# Allegro board 08_038702e.brd (continued)
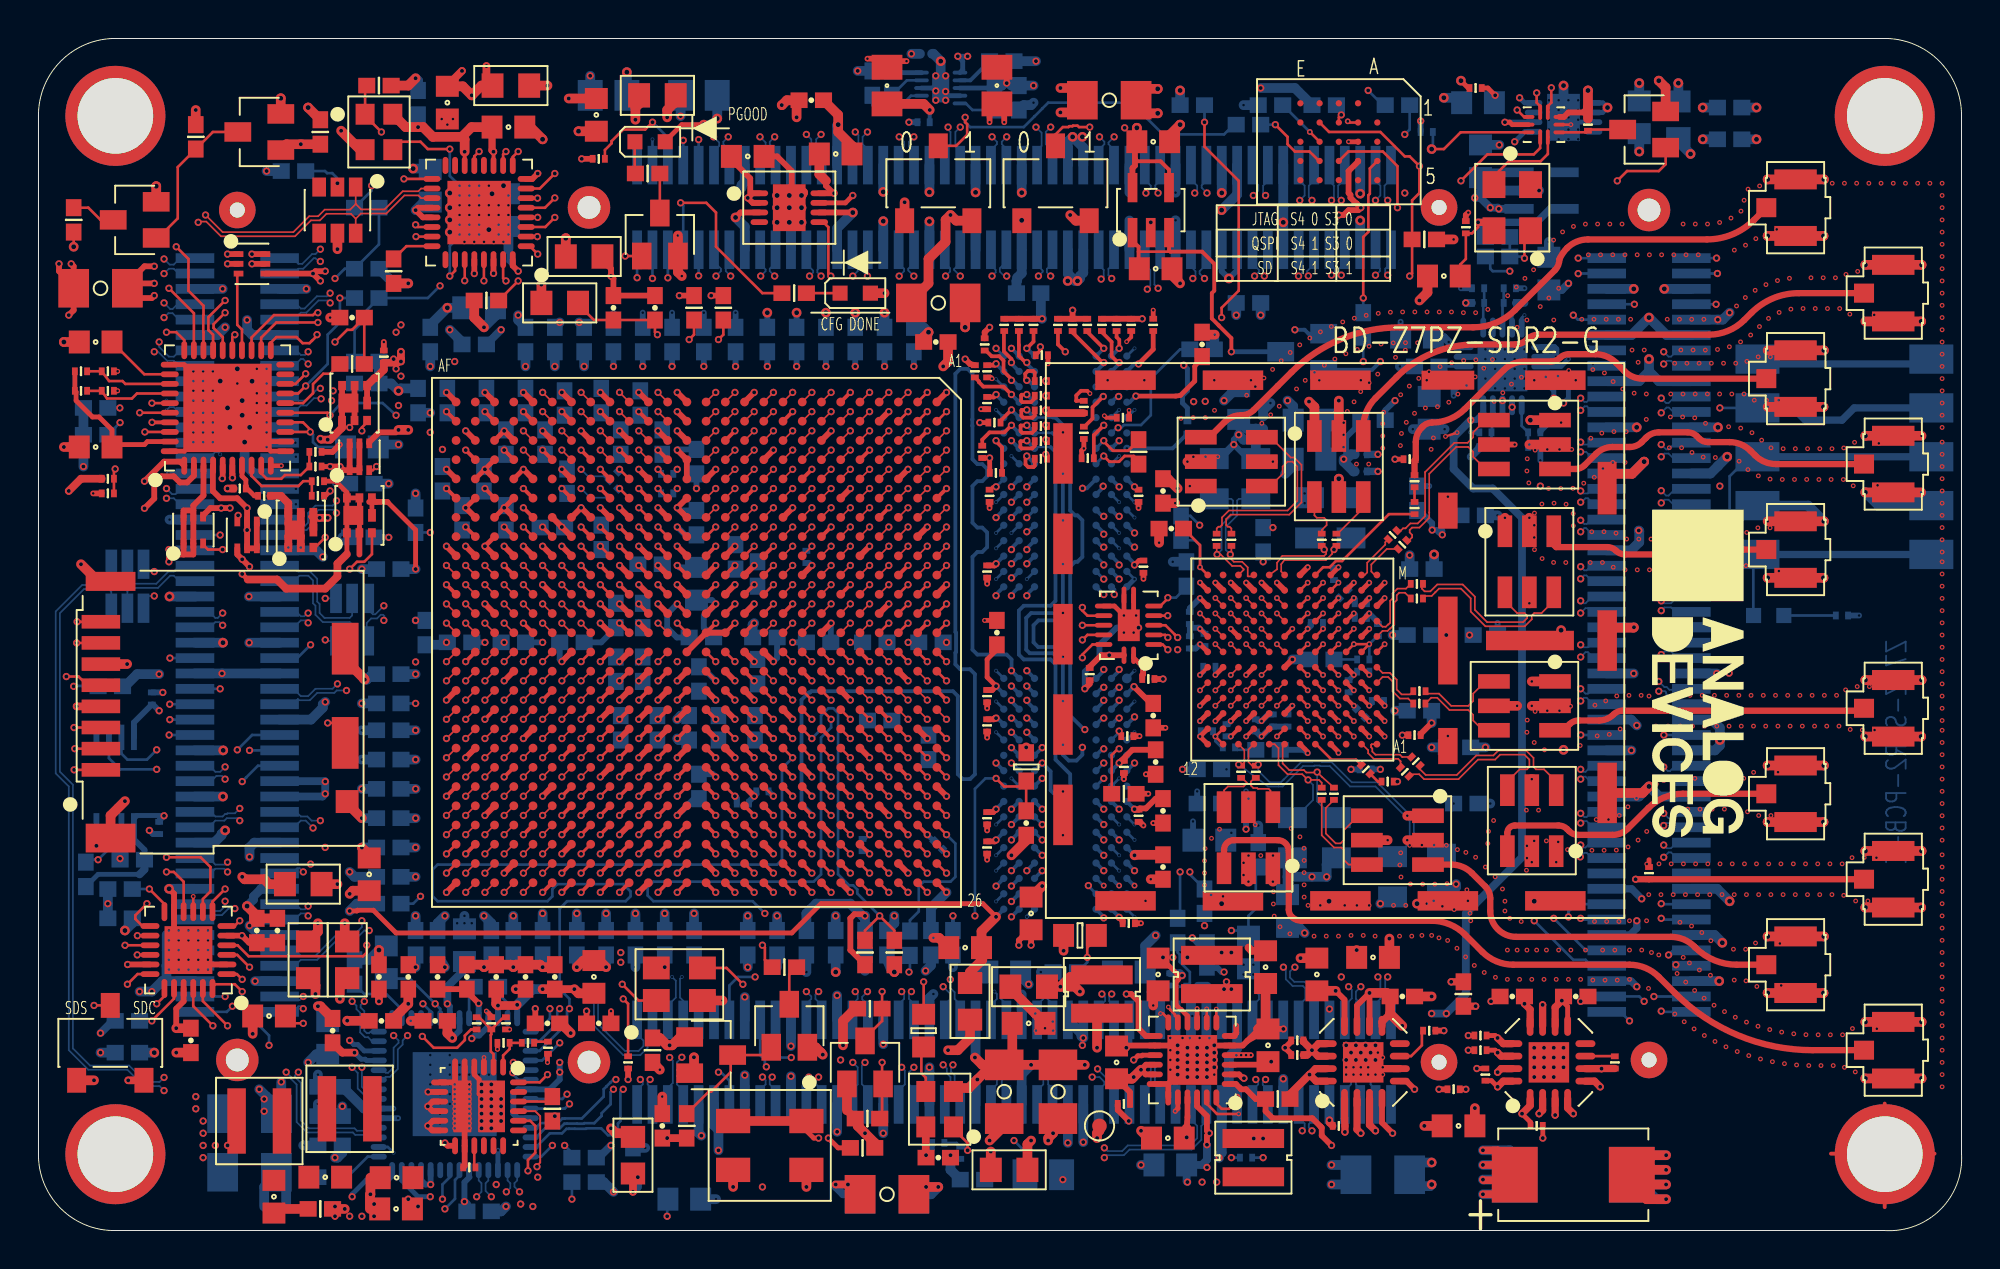
[diagram p0: board, top side]
## Routing (per net, layer and track width the routed paths; a pad name or vN(x,y) marks a point on that pad's centre or on a via; arc(x,y) is an arc through that point) (continued)
IO_L12_MRCC_12_JX3_P: length 74.2
  TOP w0.089: U1.AC13 v1(24.22,31.59)
  L7_SIG w0.089: v1(24.22,31.59) 23.84,31.96 23.84,44.5 22.26,46.08 20.88,46.08 20.5,46.46 20.5,50.02 20.88,50.4 24.94,50.4 25.33,50.78 25.33,55.23 24.94,55.61 20.88,55.61 20.5,55.99 20.5,57.49 19.97,58.02 16.44,58.02 16.42,58 11,58 10.47,57.47 10.47,54.59 10.85,54.21 11.61,54.21 11.99,53.83 11.99,51.92 12.37,51.54 16.18,51.54 16.56,51.16 16.56,46.08 16.18,45.7 15.4,45.7 14.84,46.26 14.35,46.26 13.89,46.72 12.9,46.72 12.24,46.06 12.24,45.45 12.63,45.07 v1(14.02,45.07)
  BOTTOM w0.089: JX3.86 13.29,44.97 13.64,45.32 13.77,45.32 v1(14.02,45.07)
IO_L12_MRCC_13_JX2_N: length 72.1
  TOP w0.089: U1.AC24 v1(24.22,19.59)
  L4_SIG w0.089: v1(24.22,19.59) 24.59,19.96 25.32,19.96 25.55,19.73 25.55,15.37 25.95,14.97 27.12,14.97 27.23,14.86 27.23,13.47 27.63,13.06 30.13,13.06 30.22,13.14 30.49,13.14 30.91,13.57 30.91,14.08 31.29,14.46 31.5,14.46 31.88,14.84 31.88,25.81 32.07,26 32.39,26 32.58,25.81 32.58,17.34 32.95,16.98 32.95,15.2 31.8,14.06 31.8,11.67 32.06,11.41 35.36,11.41 37.64,9.13 38.05,9.13 38.68,8.49 38.82,8.49 38.9,8.41 39.39,8.41 39.47,8.49 40.59,8.49 40.97,8.11 40.97,7.35 40.59,6.97 37.26,6.97 36.88,6.59 36.88,5.95 37.26,5.57 44.41,5.57 45.52,6.68 v1(45.52,8.49)
  BOTTOM w0.089: JX2.38 45.53,7.34 45.26,7.6 45.26,8.24 v1(45.52,8.49)
IO_L12_MRCC_13_JX2_P: length 72.1
  TOP w0.089: U1.AC23 v1(24.22,20.59)
  L4_SIG w0.089: v1(24.22,20.59) 24.39,20.42 24.39,20.3 24.47,20.22 25.42,20.22 25.81,19.83 25.81,15.48 26.06,15.22 27.23,15.22 27.48,14.97 27.48,13.57 27.74,13.32 30.03,13.32 30.11,13.4 30.38,13.4 30.66,13.68 30.66,14.18 31.19,14.71 31.39,14.71 31.63,14.95 31.63,25.92 31.96,26.25 32.5,26.25 32.83,25.92 32.83,17.45 33.2,17.08 33.2,15.09 32.06,13.95 32.06,11.77 32.16,11.67 35.46,11.67 37.75,9.38 38.15,9.38 38.79,8.74 38.92,8.74 39,8.66 39.28,8.66 39.36,8.74 40.69,8.74 41.22,8.21 41.22,7.24 40.69,6.71 37.37,6.71 37.14,6.48 37.14,6.06 37.37,5.82 44.3,5.82 45.26,6.79 45.26,7.47 45.14,7.6 45.14,7.81 45.26,7.94 45.26,8.27 45.04,8.49 v1(44.88,8.49)
  BOTTOM w0.089: JX2.36 44.73,7.28 45.05,7.6 45.05,8.33 v1(44.88,8.49)
IO_L12_MRCC_33_JX1_N: length 73.2
  TOP w0.089: U1.J3 v1(39.22,41.59)
  L4_SIG w0.089: v1(63.81,53.83) 63.62,53.64 63.62,53.39 63.68,53.32 63.83,53.32 64.02,53.13 64.02,53 63.96,52.94 63.81,52.94 63.62,52.76 63.62,52.76 63.62,51.76 61.88,50.02 49.75,50.02 49.46,50.32 49.46,50.74 49.75,51.04 60.91,51.04 61.14,51.27 61.14,51.57 60.91,51.8 49.33,51.8 48.95,51.42 48.95,49.41 47.78,48.24 44.32,48.24 44.24,48.16 43.46,48.16 43.23,47.93 43.23,47.49 43.54,47.18 45.39,47.18 45.77,46.8 45.77,45.83 45.39,45.45 37.26,45.45 36.88,45.07 36.88,41.45 37.15,41.18 37.44,41.18 37.51,41.25 38.67,41.25 38.79,41.38 39,41.38 v1(39.22,41.59)
  BOTTOM w0.089: JX1.83 63.93,54.59 63.68,54.34 63.68,53.96 v1(63.81,53.83)
IO_L12_MRCC_33_JX1_P: length 73.2
  TOP w0.089: U1.J4 v1(39.22,40.59)
  L4_SIG w0.089: v1(63.17,53.83) 63.36,53.64 63.36,51.86 61.77,50.27 49.86,50.27 49.71,50.42 49.71,50.63 49.86,50.78 61.01,50.78 61.39,51.16 61.39,51.67 61.01,52.05 49.22,52.05 48.69,51.52 48.69,49.51 47.68,48.5 44.22,48.5 44.13,48.41 43.36,48.41 42.98,48.04 42.98,47.39 43.44,46.93 45.29,46.93 45.52,46.69 45.52,45.93 45.29,45.7 37.15,45.7 36.62,45.17 36.62,41.34 37.04,40.93 37.55,40.93 37.61,40.99 38.81,40.99 v1(39.22,40.59)
  BOTTOM w0.089: v1(63.17,53.83) 63.43,54.08 63.43,54.38 63.13,54.67 JX1.81
IO_L12_MRCC_34_JX4_N: length 73.6
  TOP w0.089: U1.F7 v1(42.22,37.59)
  L4_SIG w0.089: v1(80.19,32.11) 83.27,32.11 84.24,33.08 84.46,33.08 84.51,33.13 91.22,33.13 91.75,33.66 91.75,36.74 91.62,36.87 91.62,38.95 91.22,39.35 77.27,39.35 76.76,38.84 67.93,38.84 67.78,38.7 67.45,38.7 67.18,38.97 64.46,38.97 64.08,38.59 61.14,38.59 60.5,39.22 57.76,39.22 57.72,39.27 55.7,39.27 55.64,39.33 55.15,39.33 55.04,39.22 54.03,39.22 52.88,38.08 52.01,38.08 51.78,38.31 49.39,38.31 49.29,38.22 48.47,38.22 47.43,37.18 43.97,37.18 43.55,36.76 43.55,36.45 43.35,36.25 42.08,36.25 41.87,36.46 41.84,36.69 41.84,37.22 v1(42.22,37.59)
  BOTTOM w0.089: v1(80.19,32.11) 80.44,32.37 80.57,32.37 80.77,32.17 JX4.48
IO_L12_MRCC_34_JX4_P: length 73.6
  TOP w0.089: U1.G7 v1(41.22,37.59)
  L4_SIG w0.089: v1(41.22,37.59) 41.59,37.22 41.59,36.68 41.62,36.34 41.97,36 43.46,36 43.81,36.34 43.81,36.65 44.08,36.92 47.54,36.92 48.57,37.96 49.2,37.96 49.62,37.54 51.53,37.54 51.82,37.83 52.99,37.83 54.13,38.97 55.15,38.97 55.25,39.08 55.53,39.08 55.59,39.01 57.13,39.01 57.18,38.97 60.4,38.97 61.03,38.34 64.19,38.34 64.57,38.72 67.07,38.72 67.35,38.44 67.89,38.44 68.03,38.59 76.87,38.59 77.37,39.1 91.11,39.1 91.37,38.84 91.37,36.76 91.49,36.63 91.49,33.76 91.11,33.38 84.4,33.38 84.36,33.34 84.14,33.34 83.16,32.37 80.41,32.37 80.19,32.59 v1(80.19,32.75)
  BOTTOM w0.089: JX4.46 80.79,32.97 80.44,32.62 80.32,32.62 v1(80.19,32.75)
IO_L12_MRCC_35_DATA_CLK_N: length 37.7
  TOP w0.089: U1.H14 v1(40.22,29.59) ; v6(61.2,31.29) U17.H11
  L14_SIG w0.089: v6(61.2,31.29) 61.37,31.1 61.39,31.07 61.39,30.97 61.29,30.86 61.16,30.86 61.05,30.97 61.05,30.97 60.82,31.21 60.82,31.29 60.52,31.59 60.46,31.59 60.46,31.59 60.12,31.59 60.01,31.48 58.2,31.48 57.24,32.44 55.17,32.44 54.61,33 53.77,33 53.15,32.38 47.92,32.38 47.78,32.24 35.89,32.24 35.61,31.96 35.61,31.27 35.89,31 40.43,31 40.57,30.86 40.57,29.3 40.46,29.19 40.04,29.19 39.82,29.41 39.82,29.5 39.91,29.59 v1(40.22,29.59)
IO_L12_MRCC_35_DATA_CLK_P: length 37.5
  TOP w0.089: v6(61.2,30.49) U17.G11 ; U1.J14 v1(39.22,29.59)
  L14_SIG w0.089: v1(39.22,29.59) 39.22,29.62 39.3,29.7 39.44,29.7 39.57,29.57 39.57,29.3 39.93,28.94 40.57,28.94 40.82,29.19 40.82,30.97 40.54,31.25 35.99,31.25 35.87,31.38 35.87,31.86 35.99,31.99 47.89,31.99 48.03,32.12 53.26,32.12 53.88,32.75 54.5,32.75 55.06,32.18 57.13,32.18 58.09,31.22 60.05,31.22 60.27,31 60.67,31 61.17,30.49 v6(61.2,30.49)
IO_L13_35_TX_D0_N: length 33
  TOP w0.089: v6(60.4,28.09) U17.E12 ; U1.D14 v1(44.22,29.59)
  L4_SIG w0.089: v1(44.22,29.59) 44.35,29.45 44.35,29.29 44.43,29.22 47.98,29.22 49.73,30.97 52.74,30.97 53.33,30.38 55.22,30.38 55.42,30.59 57.58,30.59 57.96,30.21 58.25,30.21 58.59,29.87 59.37,29.87 59.71,30.21 60.26,30.21 60.27,30.19 60.52,30.19 60.53,30.21 61.06,30.21 61.07,30.19 61.32,30.19 61.33,30.21 61.86,30.21 61.87,30.2 62.12,30.2 62.13,30.21 62.66,30.21 62.67,30.2 62.92,30.2 62.93,30.21 63.46,30.21 63.47,30.2 64.16,30.2 64.44,29.91 64.44,29.49 64.14,29.19 60.1,29.19 59.23,28.32 59.23,27.29 59.36,27.16 59.87,27.16 60.04,27.33 60.1,27.39 60.1,27.42 60.27,27.59 60.68,27.59 60.76,27.67 60.76,27.79 60.69,27.86 60.63,27.86 v6(60.4,28.09)
IO_L13_35_TX_D0_P: length 32.8
  TOP w0.089: U1.D15 v1(44.22,28.59) ; v6(61.2,27.29) U17.D11
  L4_SIG w0.089: v6(61.2,27.29) 61.01,27.48 60.95,27.48 60.69,27.22 60.69,27.17 60.52,26.99 60.21,26.99 60.12,26.91 59.26,26.91 58.98,27.18 58.98,28.43 60,29.45 64.04,29.45 64.19,29.59 64.19,29.8 64.05,29.94 63.37,29.94 63.36,29.95 63.04,29.95 63.03,29.94 62.57,29.94 62.56,29.95 62.24,29.95 62.23,29.94 61.77,29.94 61.76,29.95 61.44,29.95 61.43,29.94 60.97,29.94 60.96,29.95 60.64,29.95 60.63,29.94 60.17,29.94 60.16,29.95 59.82,29.95 59.48,29.62 58.48,29.62 58.14,29.95 57.86,29.95 57.48,30.33 55.53,30.33 55.32,30.13 53.22,30.13 52.63,30.72 49.84,30.72 48.08,28.96 44.59,28.96 v1(44.22,28.59)
IO_L13_MRCC_12_JX3_N: length 74.1
  TOP w0.089: U1.AD14 v1(23.22,29.59)
  L15_SIG w0.089: v1(6.53,48.24) 6.28,47.99 3.86,47.99 3.48,47.61 3.48,40.47 3.25,40.24 2.82,40.24 2.59,40.47 2.59,51.95 2.82,52.18 7.29,52.18 8.05,51.42 12.65,51.42 12.76,51.3 14.4,51.3 14.93,51.83 14.93,53.22 15.17,53.45 20.01,53.45 20.25,53.22 20.25,50.38 19.74,49.87 19.74,38.84 19.86,38.72 19.86,38.56 19.95,38.47 19.95,38 21.02,36.92 21.35,36.92 21.55,36.73 21.55,36.39 22.02,35.92 22.35,35.92 22.55,35.73 22.55,35.39 23.02,34.92 23.35,34.92 23.55,34.73 23.55,34.39 24.02,33.93 24.35,33.93 24.55,33.73 24.55,31.45 24.35,31.25 24,31.25 23.59,30.84 23.59,29.86 23.84,29.61 23.84,29.32 23.7,29.19 23.29,29.19 23.22,29.27 v1(23.22,29.59)
  BOTTOM w0.089: JX3.93 7.22,48.17 6.97,47.92 6.85,47.92 v1(6.53,48.24)
IO_L13_MRCC_12_JX3_P: length 74.1
  TOP w0.089: U1.AC14 v1(24.22,29.59)
  L15_SIG w0.089: v1(24.22,29.59) 23.84,29.96 23.84,30.74 24.1,31 24.46,31 24.81,31.34 24.81,33.83 24.46,34.18 24.13,34.18 23.81,34.5 23.81,34.83 23.46,35.18 23.13,35.18 22.81,35.5 22.81,35.83 22.46,36.18 22.13,36.18 21.81,36.5 21.81,36.83 21.46,37.18 21.13,37.18 20.2,38.1 20.2,38.58 20.12,38.66 20.12,38.82 19.99,38.95 19.99,49.77 20.5,50.27 20.5,53.32 20.12,53.7 15.06,53.7 14.68,53.32 14.68,51.94 14.3,51.56 12.86,51.56 12.75,51.67 8.16,51.67 7.4,52.43 2.72,52.43 2.34,52.05 2.34,40.37 2.72,39.99 3.35,39.99 3.74,40.37 3.74,47.5 3.97,47.73 6.28,47.73 v1(6.53,47.48)
  BOTTOM w0.089: JX3.91 7.31,47.37 6.97,47.71 6.76,47.71 v1(6.53,47.48)
IO_L13_MRCC_13_JX2_N: length 73
  TOP w0.089: U1.AD21 v1(23.22,22.59)
  L4_SIG w0.089: v1(23.22,22.59) 23.57,22.94 23.61,22.94 23.62,22.92 23.62,16.13 24.03,15.73 24.58,15.73 24.69,15.62 24.69,14.86 25.09,14.46 25.35,14.46 25.45,14.35 25.45,12.16 25.69,11.92 29.28,11.92 29.9,11.31 29.9,10.42 30.3,10.01 31.91,10.01 32.67,10.78 34.87,10.78 35.87,9.78 35.87,4.05 36.25,3.66 44.38,3.66 44.76,4.05 44.76,4.55 45.14,4.93 47.8,4.93 48.19,5.32 48.19,10.04 48.42,10.27 54.11,10.27 54.19,10.35 54.47,10.35 54.55,10.27 57.08,10.27 57.46,10.65 57.46,11.28 57.08,11.67 48.81,11.67 v1(47.42,13.06)
  BOTTOM w0.089: v1(47.42,13.06) 47.42,12.61 47.64,12.39 47.64,12.05 47.93,11.76 JX2.43
IO_L13_MRCC_13_JX2_P: length 73.1
  TOP w0.089: U1.AD20 v1(23.22,23.59)
  L4_SIG w0.089: v1(47.04,12.68) 47.43,12.68 47.55,12.56 47.55,12.43 47.3,12.17 47.3,12.05 47.49,11.86 47.61,11.86 47.81,12.05 48.06,12.05 48.7,11.41 56.97,11.41 57.2,11.18 57.2,10.75 56.97,10.52 54.65,10.52 54.57,10.6 54.08,10.6 54,10.52 48.31,10.52 47.93,10.14 47.93,5.42 47.7,5.19 45.03,5.19 44.5,4.66 44.5,4.15 44.27,3.92 36.35,3.92 36.12,4.15 36.12,9.89 34.98,11.03 32.56,11.03 31.8,10.27 30.41,10.27 30.15,10.52 30.15,11.41 29.39,12.17 25.8,12.17 25.71,12.26 25.71,14.46 25.45,14.71 25.2,14.71 24.94,14.97 24.94,15.73 24.69,15.98 24.13,15.98 23.88,16.24 23.88,23.03 23.69,23.22 23.59,23.22 v1(23.22,23.59)
  BOTTOM w0.089: v1(47.04,12.68) 47.42,12.3 47.42,12.05 47.13,11.75 JX2.41
IO_L13_MRCC_33_JX1_N: length 73.8
  TOP w0.089: U1.M5 v1(36.22,39.59)
  L4_SIG w0.089: v1(36.22,39.59) 36.59,39.22 38.32,39.22 38.55,39.45 38.55,40.01 38.8,40.25 39.35,40.25 39.55,40.45 39.55,42.89 39.92,43.25 47.54,43.25 48.82,44.54 48.82,46.19 49.22,46.59 57.31,46.59 57.84,46.06 57.84,45.87 58.08,45.63 60.28,45.63 60.53,45.37 60.53,44.92 60.78,44.67 72.59,44.67 72.82,44.9 72.82,45.17 73.35,45.7 77.92,45.7 78.16,45.93 78.16,50.68 77.92,50.91 64.04,50.91 63.62,50.49 63.62,50.19 63.63,50.19 63.81,50.02 64.31,50.02 64.44,49.89 64.44,49.64 64.31,49.51 63.87,49.51 v1(63.74,49.64)
  BOTTOM w0.089: JX1.84 63.93,50.27 63.68,50.02 63.68,49.7 v1(63.74,49.64)
IO_L13_MRCC_33_JX1_P: length 73.8
  TOP w0.089: U1.M6 v1(36.22,38.59)
  L4_SIG w0.089: v1(36.22,38.59) 36.59,38.96 38.42,38.96 38.81,39.34 38.81,39.9 38.9,40 39.46,40 39.81,40.34 39.81,42.78 40.02,43 47.64,43 49.07,44.43 49.07,46.08 49.33,46.34 57.2,46.34 57.58,45.96 57.58,45.76 57.97,45.37 60.17,45.37 60.28,45.27 60.28,44.81 60.68,44.41 72.7,44.41 73.08,44.79 73.08,45.07 73.46,45.45 78.03,45.45 78.41,45.83 78.41,50.78 78.03,51.16 63.93,51.16 63.36,50.59 63.36,49.77 v1(63.23,49.64)
  BOTTOM w0.089: JX1.82 63.13,50.29 63.46,49.96 63.46,49.87 v1(63.23,49.64)
IO_L13_MRCC_34_JX4_N: length 73.3
  TOP w0.089: U1.C7 v1(45.22,37.59)
  L17_SIG w0.089: v1(84.38,29.95) 84.13,30.21 83.87,30.21 83.75,30.08 83.75,29.7 83.62,29.57 83.49,29.57 83.36,29.7 83.36,30.03 83.19,30.21 82.83,30.21 82.6,29.98 82.6,25.22 82.49,25.11 82.49,24.83 82.6,24.72 82.6,19.03 82.22,18.65 79.07,18.65 77.4,20.32 77.4,30.2 77.16,30.43 76.14,30.43 73.14,33.43 72.51,33.43 72.51,33.43 72.3,33.43 71.92,33.81 71.92,36.15 71.88,36.19 71.88,36.4 71.34,36.94 60.6,36.94 60.52,37.02 60.24,37.02 60.19,36.98 58.89,36.98 58.35,36.43 57.32,36.43 57.13,36.61 56.5,36.61 56.44,36.55 54.67,36.55 53.68,37.54 49.55,37.54 49.39,37.7 48.84,37.7 48.55,38 47.29,38 47.29,38 43.96,38 43.87,37.91 43.87,37.46 44.14,37.19 44.82,37.19 v1(45.22,37.59)
  BOTTOM w0.089: JX4.53 85.24,29.77 84.89,30.12 84.55,30.12 v1(84.38,29.95)
IO_L13_MRCC_34_JX4_P: length 73.3
  TOP w0.089: U1.C8 v1(45.22,36.59)
  L17_SIG w0.089: v1(45.22,36.59) 44.87,36.94 44.03,36.94 43.61,37.36 43.61,38.01 43.85,38.25 47.39,38.25 47.39,38.25 48.65,38.25 48.95,37.95 49.39,37.95 49.65,38.22 51.53,38.22 51.93,37.81 53.76,37.81 54.72,36.86 54.77,36.81 56.33,36.81 56.39,36.87 57.24,36.87 57.42,36.68 58.22,36.68 58.71,37.18 58.74,37.18 58.79,37.23 60.09,37.23 60.13,37.27 60.62,37.27 60.7,37.19 71.45,37.19 72.13,36.51 72.13,36.29 72.17,36.25 72.17,33.91 72.4,33.68 73.25,33.68 76.24,30.69 77.27,30.69 77.65,30.3 77.65,20.43 79.17,18.9 82.12,18.9 82.35,19.14 82.35,24.62 82.24,24.73 82.24,25.22 82.35,25.33 82.35,30.08 82.73,30.46 84.25,30.46 v1(84.38,30.59)
  BOTTOM w0.089: JX4.51 85.13,30.57 84.89,30.33 84.63,30.33 v1(84.38,30.59)
IO_L14_35_TX_D1_N: length 32.1
  TOP w0.089: U1.E15 v1(43.22,28.59) ; v6(61.2,28.09) U17.E11
  L4_SIG w0.089: v6(61.2,28.09) 61.24,28.05 61.52,28.05 61.77,27.79 61.77,27.54 61.56,27.32 61.56,26.26 61.67,26.14 62.32,26.14 62.5,25.96 62.5,25.58 62.32,25.39 61.01,25.39 61,25.38 59.98,25.38 59.87,25.5 59.73,25.5 59.03,26.2 58.82,26.2 58.55,26.19 57.96,26.78 57.96,27.58 57.71,27.84 57.71,28.38 57.21,28.88 56.51,28.88 56.47,28.84 55.12,28.84 54.93,29.03 54.05,29.03 53.52,28.5 53.52,27.01 53.29,26.78 53.12,26.78 52.88,27.01 52.88,28.79 51.85,29.83 49.71,29.83 48.13,28.25 43.11,28.25 43,28.35 43,28.48 43.11,28.59 v1(43.22,28.59)
IO_L14_35_TX_D1_P: length 32.4
  TOP w0.089: U1.F15 v1(42.22,28.59) ; v6(62,27.29) U17.D10
  L4_SIG w0.089: v6(62,27.29) 62,27.29 62.38,26.91 62.69,26.91 62.8,26.79 62.92,26.79 63.09,26.62 63.09,26.5 63.3,26.3 63.3,25.51 62.92,25.13 59.88,25.13 59.76,25.24 59.63,25.24 58.93,25.94 58.44,25.94 57.71,26.67 57.71,27.48 57.46,27.73 57.46,28.28 57.11,28.63 56.83,28.63 56.79,28.59 55.01,28.59 54.82,28.78 54.15,28.78 53.77,28.4 53.77,26.91 53.39,26.52 53.01,26.52 52.63,26.91 52.63,28.68 51.74,29.57 49.81,29.57 48.24,28 42.79,28 42.72,28.07 42.72,28.09 v1(42.22,28.59)
IO_L14_SRCC_12_JX3_N: length 72
  TOP w0.089: U1.AB14 v1(25.22,29.59)
  L4_SIG w0.089: v1(15.17,48.75) 15.04,48.62 13.13,48.62 12.5,49.26 12.5,55.88 12.73,56.12 13.19,56.12 13.4,55.91 13.89,55.91 14.1,56.12 18.45,56.12 18.98,56.65 18.98,57.53 19.21,57.77 20.27,57.77 20.5,57.53 20.5,55.5 21.03,54.97 24.97,54.97 25.2,54.74 25.2,51.01 24.97,50.78 17.96,50.78 17.58,50.4 17.58,48.75 17.96,48.37 20.12,48.37 20.5,47.99 20.5,45.29 21.23,44.56 21.41,44.56 21.64,44.33 21.64,43.85 21.62,43.83 21.62,37.34 21.64,37.33 21.64,36.85 21.62,36.83 21.62,34.34 21.97,34 22.28,34 22.62,33.66 22.62,33.34 22.97,33 23.28,33 23.62,32.66 23.62,32.34 23.97,32 24.28,32 24.62,31.66 24.62,31.34 24.97,31 25.49,31 25.62,30.86 25.62,30.34 25.97,30 26.28,30 26.55,29.73 26.55,29.45 26.35,29.25 26.04,29.25 26.01,29.22 25.48,29.22 25.48,29.22 25.33,29.06 24.82,29.06 24.69,29.19 24.69,29.7 24.83,29.84 24.96,29.84 v1(25.22,29.59)
  BOTTOM w0.089: JX3.94 13.42,48.17 13.64,47.95 13.84,47.95 14.47,48.58 15,48.58 v1(15.17,48.75)
IO_L14_SRCC_12_JX3_P: length 72
  TOP w0.089: U1.AB15 v1(25.22,28.59)
  L4_SIG w0.089: v1(25.22,28.59) 25.59,28.96 26.11,28.96 26.46,29 26.81,29.34 26.81,29.83 26.39,30.25 26.07,30.25 25.88,30.45 25.88,30.97 25.6,31.25 25.08,31.25 24.88,31.45 24.88,31.76 24.39,32.25 24.08,32.25 23.88,32.45 23.88,32.76 23.39,33.25 23.08,33.25 22.88,33.45 22.88,33.76 22.39,34.25 22.08,34.25 21.88,34.45 21.88,36.73 21.9,36.75 21.9,37.43 21.88,37.45 21.88,43.73 21.9,43.75 21.9,44.43 21.52,44.81 21.33,44.81 20.75,45.39 20.75,48.09 20.22,48.62 18.06,48.62 17.83,48.85 17.83,50.3 18.06,50.53 25.07,50.53 25.45,50.91 25.45,54.85 25.07,55.23 21.13,55.23 20.75,55.61 20.75,57.64 20.37,58.02 19.1,58.02 18.72,57.64 18.72,56.75 18.34,56.37 13.99,56.37 13.78,56.16 13.5,56.16 13.29,56.37 12.63,56.37 12.24,55.99 12.24,49.15 13.03,48.37 15.04,48.37 v1(15.17,48.24)
  BOTTOM w0.089: v1(15.17,48.24) 15.04,48.37 14.56,48.37 13.93,47.73 13.64,47.73 13.28,47.37 JX3.92
IO_L14_SRCC_13_JX2_N: length 72
  TOP w0.089: U1.AC22 v1(24.22,21.59)
  L6_SIG w0.089: v1(47.55,8.62) 47.8,8.87 47.93,8.87 48.06,8.74 48.06,8.24 47.93,8.11 47.42,8.11 47.3,7.98 47.3,7.75 47.16,7.61 46.89,7.35 44.48,7.35 44.25,7.12 44.25,5.88 44.48,5.65 55.7,5.65 55.93,5.88 55.93,5.93 56.46,6.46 57.22,6.46 57.48,6.71 57.48,7.11 57.19,7.39 56.33,7.39 55.93,7.8 55.93,10.16 55.7,10.4 55.06,10.4 54.54,10.93 54.54,13.21 53.79,13.95 52.38,13.95 52.12,14.21 48.42,14.21 48.04,13.82 47.66,13.82 46.62,12.79 46.62,11.99 46.24,11.61 37.03,11.61 36.97,11.56 36.48,11.56 36.43,11.61 36.19,11.61 34.98,12.83 34.98,13.59 33.47,15.09 28.01,15.09 26.55,16.56 26.55,16.63 26.18,17 25.97,17 25.62,17.34 25.62,21.66 25.32,21.96 24.59,21.96 v1(24.22,21.59)
  BOTTOM w0.089: v1(47.55,8.62) 47.45,8.52 47.45,8.26 47.64,8.07 47.64,7.6 47.93,7.31 JX2.44
IO_L14_SRCC_13_JX2_P: length 72
  TOP w0.089: U1.AC21 v1(24.22,22.59)
  L6_SIG w0.089: v1(24.22,22.59) 24.59,22.22 25.42,22.22 25.88,21.76 25.88,17.45 26.08,17.25 26.29,17.25 26.8,16.74 26.8,16.66 28.12,15.35 33.58,15.35 35.23,13.7 35.23,12.94 36.3,11.87 36.53,11.87 36.59,11.81 36.87,11.81 36.92,11.87 46.13,11.87 46.36,12.1 46.36,12.89 47.55,14.08 47.93,14.08 48.31,14.46 48.52,14.46 48.52,14.46 52.23,14.46 52.48,14.21 53.9,14.21 54.79,13.32 54.79,11.03 55.17,10.65 55.81,10.65 56.19,10.27 56.19,7.9 56.44,7.65 57.3,7.65 57.73,7.21 57.73,6.35 57.58,6.2 56.57,6.2 56.19,5.82 56.19,5.78 55.81,5.4 44.38,5.4 43.99,5.78 43.99,7.22 44.38,7.6 46.79,7.6 46.98,7.79 47.04,7.86 v1(47.04,8.62)
  BOTTOM w0.089: JX2.42 47.13,7.31 47.42,7.6 47.42,7.98 47.23,8.17 47.23,8.43 v1(47.04,8.62)
IO_L14_SRCC_33_JX1_N: length 74.4
  TOP w0.089: U1.L4 v1(37.22,40.59)
  L14_SIG w0.089: v1(50.34,49.64) 50.09,49.89 50.09,50.27 49.84,50.53 49.07,50.53 48.69,50.15 48.69,49.64 47.55,48.5 47.55,47.26 47.53,47.24 47.53,44.63 47.46,44.56 44.98,44.56 44.9,44.48 42.13,44.48 41.62,43.97 41.62,40.52 41.32,40.22 40.21,40.22 40.17,40.18 39.97,40.18 39.62,39.83 39.62,38.45 39.35,38.18 37.89,38.18 37.63,37.91 37.63,36.39 37.41,36.18 34.97,36.18 34.63,35.83 34.63,35.8 34.07,35.25 19.62,35.25 18.98,35.9 18.98,36.54 18.85,36.66 18.85,37.6 18.95,37.7 19.86,37.7 21.64,35.92 22.07,35.92 22.08,35.92 34.09,35.92 34.88,36.71 34.88,36.73 35.08,36.92 35.09,36.92 35.1,36.94 36.48,36.94 36.63,37.09 36.63,37.09 36.88,37.34 36.88,38.73 37.12,38.97 38.35,38.97 38.38,39 38.46,39 38.81,39.34 38.81,39.83 38.46,40.18 38.42,40.18 38.38,40.22 37.59,40.22 v1(37.22,40.59)
  BOTTOM w0.089: v1(50.34,49.64) 50.22,49.64 49.99,49.87 49.99,50.05 50.33,50.38 JX1.50
IO_L14_SRCC_33_JX1_P: length 74.4
  TOP w0.089: U1.L5 v1(37.22,39.59)
  L14_SIG w0.089: v1(49.58,49.64) 49.84,49.89 49.84,50.17 49.73,50.27 49.18,50.27 48.95,50.04 48.95,49.53 47.8,48.39 47.8,47.16 47.79,47.14 47.79,44.52 47.57,44.3 45.08,44.3 45,44.22 42.24,44.22 41.88,43.86 41.88,40.42 41.42,39.96 40.31,39.96 40.28,39.92 40.08,39.92 39.88,39.73 39.88,38.34 39.46,37.92 38,37.92 37.88,37.81 37.88,36.28 37.52,35.92 35.08,35.92 34.88,35.73 34.88,35.7 34.18,35 19.52,35 18.72,35.8 18.72,36.43 18.59,36.56 18.59,37.7 18.85,37.95 19.97,37.95 21.75,36.18 21.97,36.18 21.97,36.18 33.97,36.18 34.98,37.19 36.37,37.19 36.37,37.2 36.63,37.45 36.63,38.83 37.02,39.22 38.24,39.22 38.27,39.25 38.35,39.25 38.55,39.45 38.55,39.73 38.35,39.92 38.32,39.92 38.28,39.96 37.48,39.96 37.36,40.08 37.11,40.08 37.01,39.99 37.01,39.79 v1(37.22,39.59)
  BOTTOM w0.089: v1(49.58,49.64) 49.77,49.83 49.77,49.96 49.53,50.2 JX1.48
IO_L14_SRCC_34_JX4_N: length 72.1
  TOP w0.089: U1.C6 v1(45.22,38.59)
  L6_SIG w0.089: v1(45.22,38.59) 45.21,38.59 44.88,38.59 44.8,38.68 44.8,38.81 44.96,38.97 49.61,38.97 49.65,39.01 51.53,39.01 51.58,38.97 55.15,38.97 55.25,39.08 55.53,39.08 55.64,38.97 56.01,38.97 56.05,39.01 56.33,39.01 56.38,38.97 56.81,38.97 56.85,39.01 57.13,39.01 57.18,38.97 60.38,38.97 60.89,38.46 62.92,38.46 63.17,38.72 66.35,38.72 67.12,37.94 69.05,37.94 69.42,37.57 77.71,37.57 79.49,35.8 79.58,35.8 79.7,35.67 81.99,35.67 82.09,35.56 82.09,23.58 81.86,23.35 81.31,23.35 81.08,23.58 81.08,33.11 80.68,33.51 78.94,33.51 78.41,32.98 78.41,30.97 79.36,30.02 79.67,30.02 79.86,29.83 v1(80.19,29.83)
  BOTTOM w0.089: v1(80.19,29.83) 80.44,30.08 80.57,30.08 80.88,29.77 JX4.54
IO_L14_SRCC_34_JX4_P: length 72.1
  TOP w0.089: U1.D6 v1(44.22,38.59)
  L6_SIG w0.089: v1(44.22,38.59) 44.62,38.99 44.85,39.22 49.5,39.22 49.55,39.27 51.64,39.27 51.68,39.22 55.04,39.22 55.15,39.33 55.64,39.33 55.7,39.27 57.24,39.27 57.28,39.22 60.48,39.22 60.99,38.72 62.81,38.72 63.07,38.97 66.45,38.97 67.22,38.2 69.15,38.2 69.52,37.83 77.81,37.83 79.59,36.05 79.68,36.05 79.81,35.92 82.09,35.92 82.35,35.67 82.35,23.48 81.97,23.1 81.21,23.1 80.82,23.48 80.82,33 80.57,33.26 79.05,33.26 78.67,32.87 78.67,31.07 79.47,30.27 79.67,30.27 79.86,30.46 v1(80.19,30.46)
  BOTTOM w0.089: v1(80.19,30.46) 80.32,30.33 80.57,30.33 80.81,30.57 JX4.52
IO_L15_12_JX3_N: length 72.8
  TOP w0.089: U1.AD15 v1(23.22,28.59)
  L4_SIG w0.089: v1(23.22,28.59) 22.84,28.22 22.34,28.22 22.3,28.18 21.97,28.18 21.62,27.83 21.62,27.5 21.3,27.18 20.97,27.18 20.62,26.83 20.62,26.5 20.5,26.38 20.5,12.79 20.27,12.55 19.21,12.55 18.57,13.19 16.16,13.19 15.93,13.42 15.93,13.85 16.16,14.08 17.29,14.08 17.43,13.93 17.98,13.93 18.12,14.08 18.45,14.08 18.98,14.61 18.98,15.45 18.45,15.98 17.81,15.98 17.58,16.22 17.58,18.76 17.05,19.29 16.71,19.29 16.48,19.52 16.48,27.71 16.61,27.84 16.61,28.33 16.48,28.46 16.48,31.69 15.55,32.62 15.55,35.41 15.29,35.67 14.53,35.67 13.51,36.68 13.51,46.11 9.36,50.27 6.78,50.27 v1(6.53,50.53)
  BOTTOM w0.089: v1(6.53,50.53) 6.82,50.24 7.04,50.24 7.37,50.57 JX3.99
IO_L15_12_JX3_P: length 72.8
  TOP w0.089: U1.AD16 v1(23.22,27.59)
  L4_SIG w0.089: v1(6.53,49.77) 6.78,50.02 9.25,50.02 13.26,46.01 13.26,36.58 14.42,35.41 15.19,35.41 15.29,35.31 15.29,32.52 16.23,31.58 16.23,28.35 16.35,28.23 16.35,27.95 16.23,27.82 16.23,19.41 16.61,19.03 16.94,19.03 17.32,18.65 17.32,16.11 17.71,15.73 18.34,15.73 18.72,15.35 18.72,14.71 18.34,14.33 18.02,14.33 17.87,14.19 17.54,14.19 17.39,14.33 16.05,14.33 15.67,13.95 15.67,13.32 16.05,12.94 18.47,12.94 19.1,12.3 20.37,12.3 20.75,12.68 20.75,26.27 20.88,26.4 20.88,26.73 21.08,26.93 21.41,26.93 21.88,27.4 21.88,27.73 22.08,27.93 22.41,27.93 22.44,27.96 22.84,27.96 v1(23.22,27.59)
  BOTTOM w0.089: v1(6.53,49.77) 6.78,50.02 7.04,50.02 7.29,49.77 JX3.97
IO_L15_13_JX2_N: length 72.5
  TOP w0.089: U1.AF20 v1(21.22,23.59)
  L6_SIG w0.089: v3(50.34,12.94) 50.09,12.68 50.09,10.61 49.5,10.01 45.82,10.01 45.69,10.14 42.94,10.14 42.81,10.01 39.07,10.01 38.79,9.73 38.79,7.71 39.17,7.33 39.17,3.41 38.53,2.78 35.87,2.78 35.1,2.01 32.56,2.01 32.18,2.39 32.18,4.05 32.56,4.43 34.74,4.43 34.98,4.66 34.98,5.21 34.74,5.44 33.33,5.44 32.95,5.82 32.95,7.35 33.33,7.73 35.89,7.73 36.12,7.96 36.12,9.78 35.89,10.01 29.9,10.01 29.14,10.78 29.14,11.49 28.75,11.88 27.66,11.88 26.98,12.55 26.98,12.68 26.6,13.06 25.83,13.06 25.45,13.44 25.45,13.82 25.07,14.21 23.42,14.21 22.58,15.05 22.58,23.4 22.62,23.45 22.62,23.84 22.51,23.96 21.59,23.96 v1(21.22,23.59)
  L19_GND w0.089: v3(50.34,12.94) 50.22,12.81 v4(50.22,12.43)
  BOTTOM w0.089: v4(50.22,12.43) 50.05,12.26 50.05,12.05 50.33,11.77 JX2.49
IO_L15_13_JX2_P: length 72.5
  TOP w0.089: U1.AF19 v1(21.22,24.59)
  L6_SIG w0.089: v3(49.58,12.94) 49.84,12.68 49.84,10.71 49.39,10.27 45.92,10.27 45.79,10.4 42.83,10.4 42.7,10.27 38.97,10.27 38.54,9.84 38.54,7.6 38.91,7.22 38.91,3.52 38.43,3.03 35.76,3.03 35,2.27 32.67,2.27 32.44,2.5 32.44,3.94 32.67,4.17 34.85,4.17 35.23,4.55 35.23,5.32 34.85,5.7 33.43,5.7 33.2,5.93 33.2,7.24 33.43,7.47 35.99,7.47 36.37,7.86 36.37,9.89 35.99,10.27 30.02,10.27 29.39,10.9 29.39,11.59 28.85,12.13 27.76,12.13 27.23,12.66 27.23,12.79 26.7,13.32 25.94,13.32 25.71,13.55 25.71,13.93 25.18,14.46 23.53,14.46 22.83,15.16 22.83,23.29 22.88,23.34 22.88,23.95 22.61,24.22 21.48,24.22 21.38,24.12 21.16,24.11 21.08,24.19 21.08,24.34 v1(21.22,24.59)
  L19_GND w0.089: v4(49.71,12.43) 49.71,12.81 v3(49.58,12.94)
  BOTTOM w0.089: v4(49.71,12.43) 49.84,12.3 49.84,12.05 49.53,11.74 JX2.47
IO_L15_33_JX1_N: length 72.6
  TOP w0.089: U1.N2 v1(35.22,42.59)
  L15_SIG w0.089: v1(35.22,42.59) 35.59,42.22 35.68,42.22 35.71,42.25 36.35,42.25 36.62,42.52 36.62,49.61 37.67,50.65 38.51,50.65 39.04,50.12 39.04,48.77 38.79,48.52 38.79,44.96 38.2,44.38 37.9,44.07 37.9,43.75 37.88,43.73 37.88,43.45 37.9,43.43 37.9,42.75 37.88,42.73 37.88,42.45 37.9,42.43 37.9,41.75 37.88,41.73 37.88,41.45 37.9,41.43 37.9,40.75 37.88,40.73 37.88,40.45 37.9,40.43 37.9,39.75 37.88,39.73 37.88,37.42 38.11,37.19 38.55,37.19 38.62,37.26 38.62,43.83 39.1,44.3 39.95,44.3 40.18,44.54 40.18,48.65 40.59,49.05 41.6,49.05 41.71,49.15 41.71,51.39 42.11,51.8 52.78,51.8 53.01,52.03 53.01,55.5 52.78,55.73 49.1,55.73 48.57,56.26 48.57,58.4 48.95,58.78 52,58.78 52.5,58.27 52.5,57.51 v1(52.63,57.39)
  BOTTOM w0.089: JX1.55 52.73,56.15 52.38,56.5 52.38,57.13 v1(52.63,57.39)
IO_L15_33_JX1_P: length 72.6
  TOP w0.089: U1.N3 v1(35.22,41.59)